# Altium PCB PCB3.PcbDoc
Units mil, origin at the board's own origin, x right, y up, seen from the top; angles counter-clockwise.
Board outline 3464.57 x 2078.74 mil, 2 copper layers (Top Layer, Bottom Layer); 45 components, 39 nets, 186 pads, 3 vias.
Unrouted connection lines stored in the file: 85.
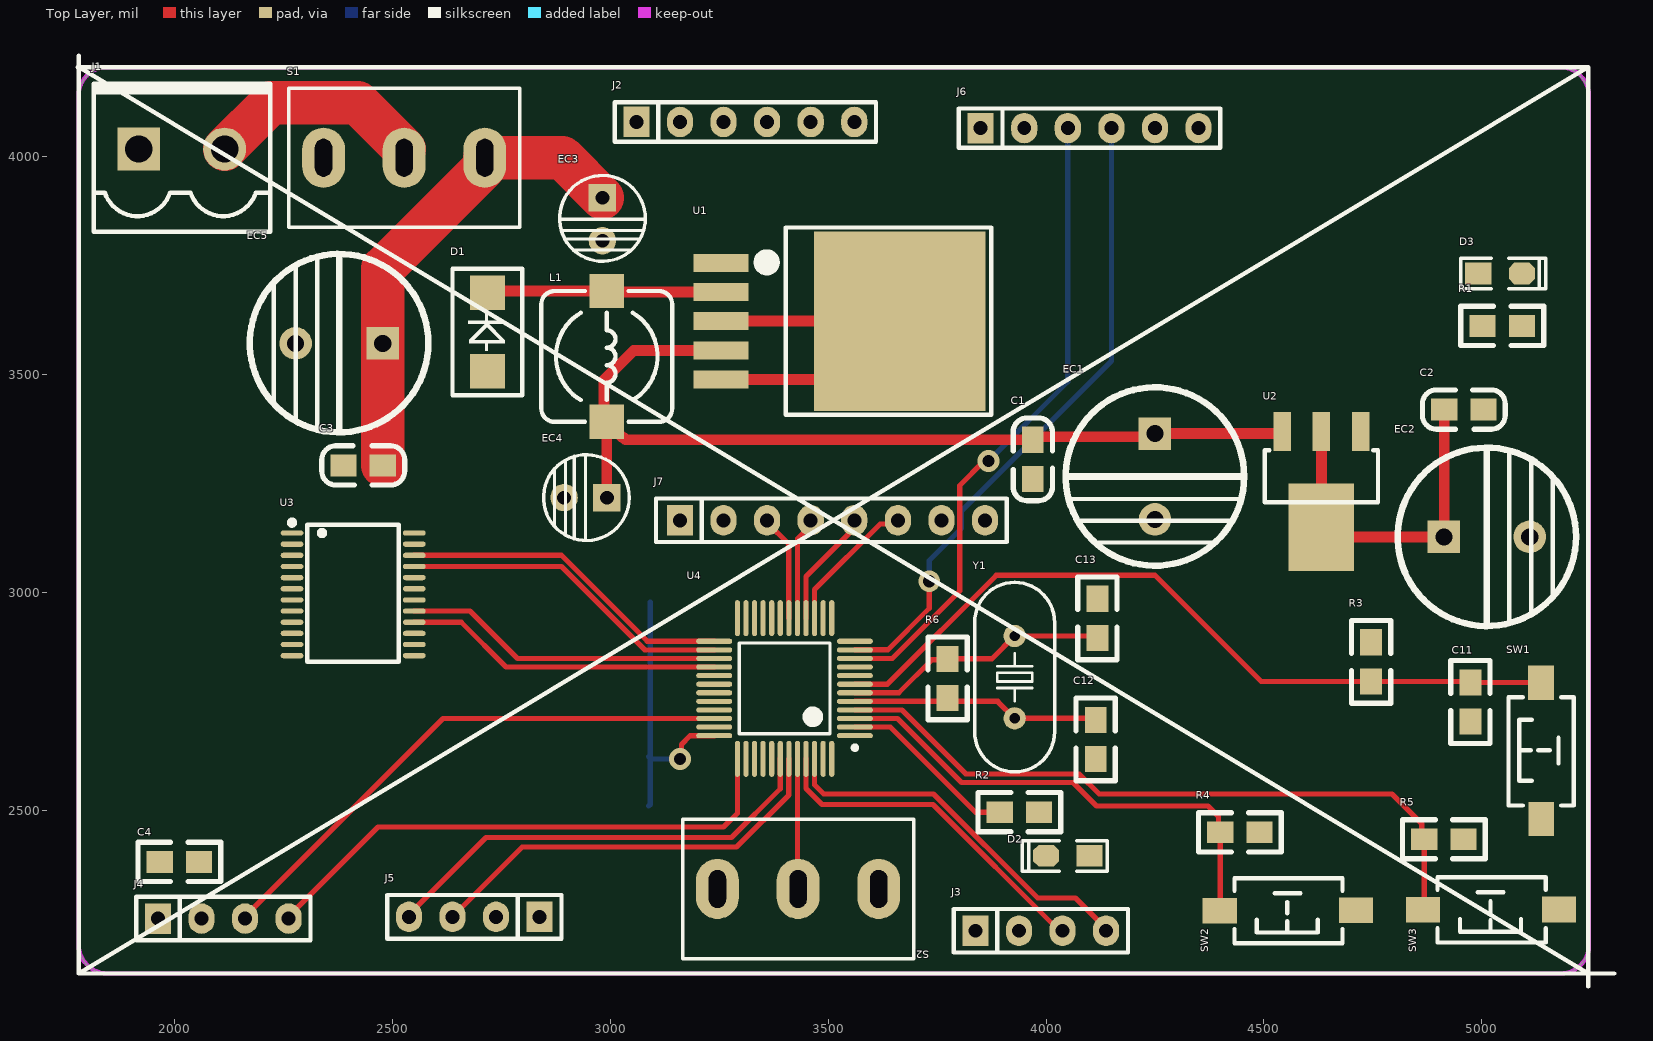
[diagram p0: Top Layer view]
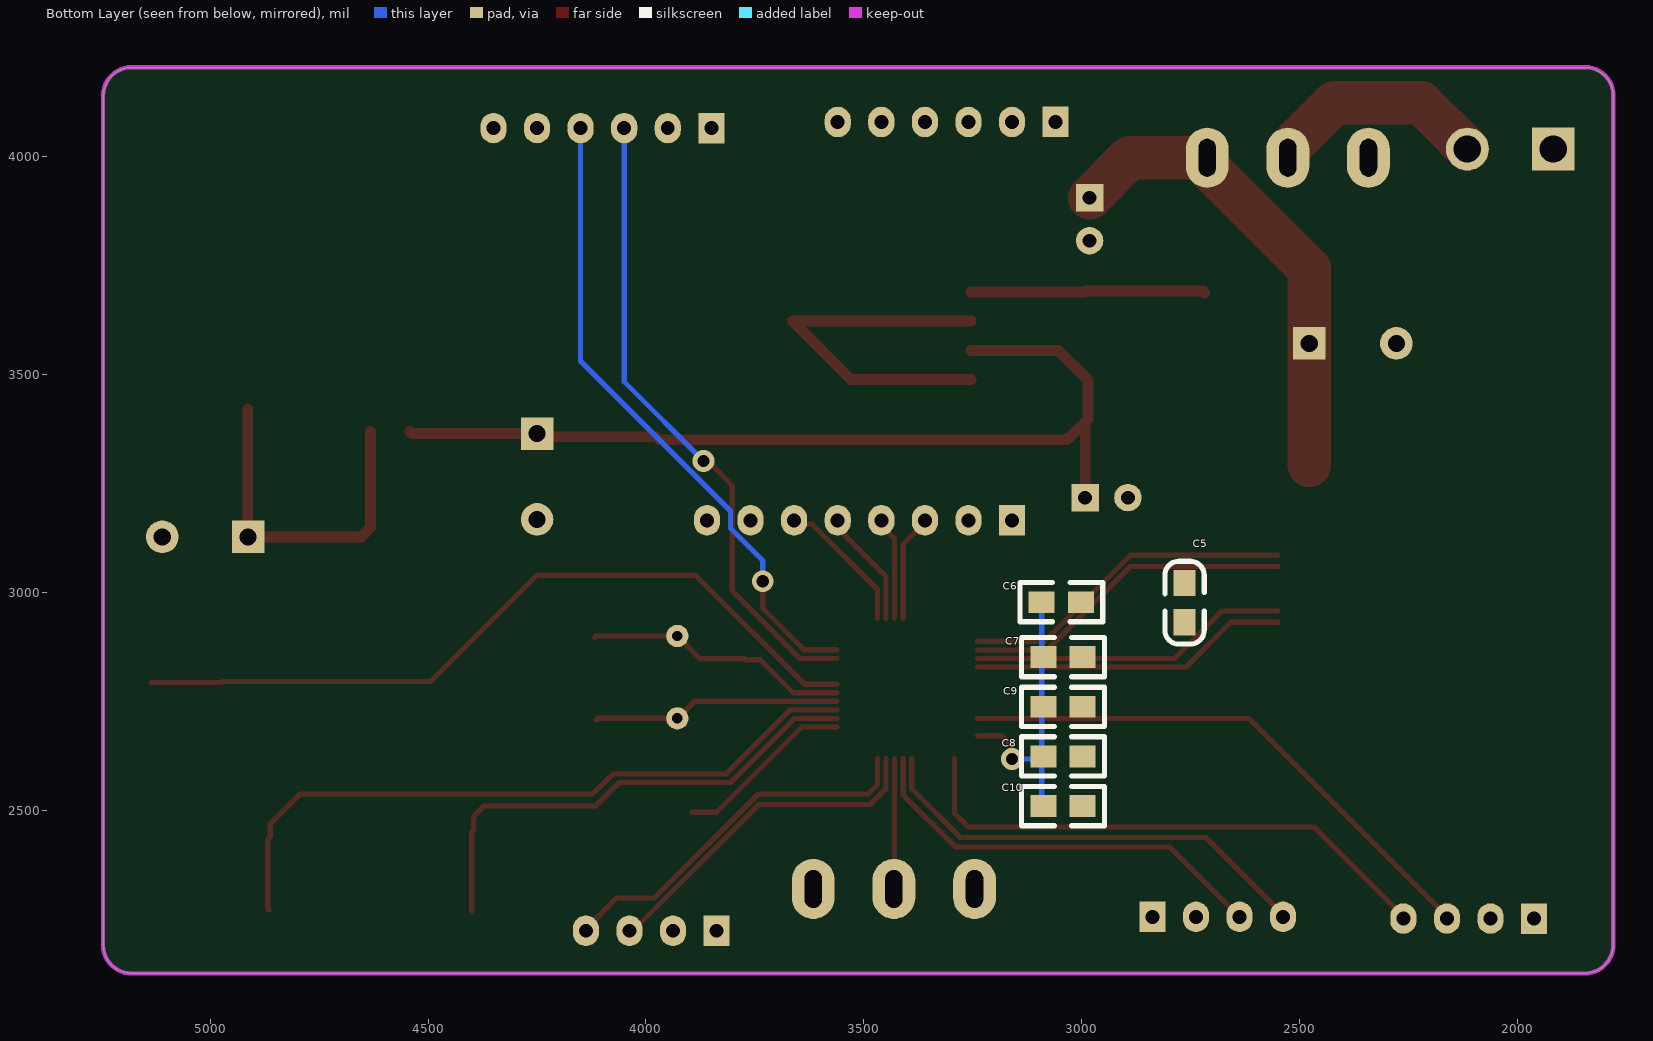
[diagram p1: Bottom Layer view, seen from below]

## Layer stack, top to bottom
Top Solder: solder mask 0.4, Solder Resist, Dk 3.5
Top Layer: signal copper 1.4
Dielectric 1: dielectric 12.6, FR-4, Dk 4.8
Bottom Layer: signal copper 1.4
Bottom Solder: solder mask 0.4, Solder Resist, Dk 3.5

## Board outline
1780.43,2191.57 1780.43,4140.43 cw(c1845,4140.43) 1845,4205 5180,4205 cw(c5180,4140) 5245,4140 5245,2191 cw(c5180.26,2191) 5180.26,2126.26 1845.74,2126.26 cw(c1845.74,2191.57)

## Design rules (kind name [scope] priority, off if disabled: settings)
Clearance ClearancePolygon [InPolygon] p1: gap=6 ignorepadtopadclearanceinfootprint=FALSE
Clearance [All] p2: gap=6 ignorepadtopadclearanceinfootprint=FALSE except(0: Arc-Hole Track-Hole SMDPad-Hole THPad-Hole Via-Hole Fill-Hole Poly-Hole Region-Hole Text-Hole)
ComponentClearance [All] p1: gap=0 collisioncheckmode=3 verticalgap=0 showdistances=FALSE
Height [All] p1: minheight=0 maxheight=5000 prefheight=500
HoleSize [All] p1: absolutevalues=TRUE maxlimit=200 minlimit=1 maxpercent=80.000 minpercent=20.000
HoleToHoleClearance [All] p1: gap=6 allowstackedmicrovias=TRUE
MinimumAnnularRing [All] p1: minimumring=4
MinimumSolderMaskSliver [All] p1: minsoldermaskwidth=0
MinimumSolderMaskSliver SilkToSolderMaskClearance [IsPad] p2: minsoldermaskwidth=10
PolygonConnect [All] p1: connectstyle=Direct reliefconductorwidth=10 reliefentries=4 polygonreliefangle="90 Angle" airgapwidth=10
RoutingVias [All] p1: holewidth=12 width=24 viastyle="Through Hole" minholewidth=12 minwidth=20 maxholewidth=28 maxwidth=50
SilkToSilkClearance [All] p1: silktosilkclearance=0
SilkToSolderMaskClearance SilkToSolderMaskClearance_1 [IsPad] p1: minsilkscreentomaskgap=10 clearancetoexposedcopper=TRUE
SolderMaskExpansion [All] p1: expansion=2 istentingtop=FALSE
Width [All] p1: maxlimit=100 minlimit=10 preferedwidth=12 minimp=50.000000 maximp=50.000000 favimp=50.000000
23 further rules are at their usual default settings.

## Components (designator, comment, footprint, x,y, rotation, side; value= is the part's Value field where it differs from the comment)
C1 "104" 0805C 3970,3350 r270 top
C2 "104" 0805C 4914.71,3420.4 r0 top
C3 "100nF" 0805C 2477.29,3291.6 r180 top
C4 "1uf" 0805R 2056,2382 r180 top value=104
C5 "100nF" 0805C 2764.4,2932.71 r90 bottom
C6 "104" 0805R 3002,2978 r0 bottom
C7 "104" 0805R 2998,2852 r0 bottom
C8 "104" 0805R 2998,2624 r0 bottom
C9 "104" 0805R 2998,2738 r0 bottom
C10 "104" 0805R 2998,2510 r0 bottom
C11 "1uf" 0805R 4974,2704 r90 top value=104
C12 "22P" 0805R 4114,2708 r270 top value=104
C13 "22P" 0805R 4118,2896 r90 top value=104
D1 "DIODE SCHOTTKY" SMB/DO-214AA 2718,3508 r90 top
D2 "LED" "LED 0805G" 4050,2396 r180 top
D3 "LED" "LED 0805G" 5042,3732 r0 top
EC1 "106" DIP-EC5.0X10X12.5 4250,3364.85 r270 top
EC2 "106" DIP-EC5.0X10X12.5 4913.15,3128 r0 top
EC3 "680uF" DIP-EC2.5X5X11 2982,3906 r270 top
EC4 "220uF" DIP-EC2.5X5X11 2992.43,3218 r180 top
EC5 "22uF" DIP-EC5.0X10X20 2478,3572 r180 top
J1 "KF2EDGK-2P" KF2EDGK5.0-2P 1918,4018 r0 top
J2 "A_M" Fe-HDR1X6/2.54-S 3060,4080 r0 top
J3 "oled" Fe-HDR1X4/2.54-S 3838,2224 r90 top
J4 "jilnk" Fe-HDR1X4/2.54-S 1962,2252 r90 top
J5 "串口" Fe-HDR1X4/2.54-S 2838,2256 r270 top
J6 "B_M" Fe-HDR1X6/2.54-S 3850,4066 r0 top
J7 "陀螺仪" Fe-HDR1X8/2.54-S 3160,3166 r90 top
L1 "33uH" CDRH74 2992,3542 r270 top
R1 "10k" 0805R 5092,3612 r180 top
R2 "10K" 0805R 3984,2496 r180 top
R3 "10K" 0805R 4746,2796 r90 top
R4 "1K" 0805R 4400,2450 r0 top
R5 "1K" 0805R 4868,2434 r0 top
R6 "1M" 0805R 3774,2848 r270 top
S1 "MTS-10x" MTS-10x 2527.04,3998 r180 top
S2 "MTS-10x" MTS-10x 3431.04,2320 r0 top
SW1 "3x6x5" "TSW SMD-3*6*2.5" 5136,2638 r90 top
SW2 "3x6x5" "TSW SMD-3*6*2.5" 4554,2270 r180 top
SW3 "3x6x5" "TSW SMD-3*6*2.5" 5020,2272 r180 top
U1 "LM2596-5.0" TO263-5A 3254,3622.93 r270 top
U2 "AMS1117" SOT223 4632,3370 r180 top
U3 "TB6612FNG" SSOP-24_L8.3-W5.6-P0.65-LS7.6-BL 2410,2996 r270 top
U4 "stm32f103c8t6_48pin" LQFP-48_M 3400,2780 r180 top
Y1 "8M" "OSC HC-49U" 3928,2806 r270 top

## Footprints (in the part's own frame and the unit in brackets; to place one, negate y for a bottom-side part, rotate by r counter-clockwise, add the part's x,y. Pads: shape width x height; smd on the part's side, far side on the other; paste and mask are expansions set on the pad)
0805C [mil]
  rect 60x50 smd: 1(-0.71,-0.4) 2(89.29,-0.4)
  silkscreen extent -51,-45 139,45, body extent 6,-25 84,25, height 31
0805R [mil]
  rect 60x50 smd: 1(0,0) 2(90,0)
  silkscreen extent -50,-45 140,45, body extent 1,-25 80,25, height 15
CDRH74 [mm] "7.3*7.3*4.5mm（长宽高）"
  rect 2x2 smd: 1(-3.81,0) 2(3.81,0)
  silkscreen extent -3.81,-3.81 3.81,3.81, body extent -3.65,-3.65 3.65,3.65, height 4.5
DIP-EC2.5X5X11 [mm]
  rect 1.6x1.6 hole 0.8: 1(0,0)
  round 1.6 hole 0.8: 2(2.5,0)
  silkscreen extent -1.3,-2.5 3.7,2.5, body extent -1.25,-2.59 3.75,2.41, height 11.03
DIP-EC5.0X10X12.5 [mm]
  rect 1.9x1.9 hole 1: 1(0,0)
  round 1.9 hole 1: 2(5,0)
  silkscreen extent -2.7,-5.21 7.7,5.2, body extent -2.41,-5 7.6,5, height 12.55
DIP-EC5.0X10X20 [mm]
  rect 1.9x1.9 hole 1: 1(0,0)
  round 1.9 hole 1: 2(5.08,0)
  silkscreen extent -2.65,-5.21 7.74,5.19, body extent -2.46,-4.93 7.55,5.07, height 20.03
Fe-HDR1X4/2.54-S [mil]
  rect 70x60 hole 32: 1(0,0)
  oval 70x60 hole 32: 2(0,-100) 3(0,-200) 4(0,-300)
  silkscreen extent -50,-350 50,50, body extent -44,-355 54,55, height 335
Fe-HDR1X6/2.54-S [mil]
  rect 60x70 hole 32: 1(0,0)
  oval 60x70 hole 32: 2(100,0) 3(200,0) 4(300,0) 5(400,0) 6(500,0)
  silkscreen extent -50,-45 550,45, body extent -55,-49 555,49, height 109
Fe-HDR1X8/2.54-S [mil]
  rect 70x60 hole 32: 1(0,0)
  oval 70x60 hole 32: 2(0,-100) 3(0,-200) 4(0,-300) 5(0,-400) 6(0,-500) 7(0,-600) 8(0,-700)
  silkscreen extent -50,-750 50,55, body extent -49,-755 49,55, height 126
KF2EDGK5.0-2P [mm]
  rect 2.5x2.5 hole 1.6: 1(0,0)
  round 2.5 hole 1.6: 2(5,0)
  silkscreen extent -2.62,-4.83 7.67,3.81, body extent -2.54,-4.76 7.54,3.74, height 11.25
"LED 0805G" [mil] "绿色0805LED"
  rect 60x50 smd: 1(-50,0)
  oct 60x50 smd: 2(50,0)
  silkscreen extent -90,-35 105,35, body extent -39,-25 39,25, height 32
LQFP-48_M [mm] "Thin QFP, 48-Leads, Body 7x7mm, Pitch 0.5mm, IPC Low Density"
  oval 2.1x0.3 smd: 1(-4.1,2.75) 2(-4.1,2.25) 3(-4.1,1.75) 4(-4.1,1.25) 5(-4.1,0.75) 6(-4.1,0.25) 7(-4.1,-0.25) 8(-4.1,-0.75) 9(-4.1,-1.25) 10(-4.1,-1.75) 11(-4.1,-2.25) 12(-4.1,-2.75) 25(4.1,-2.75) 26(4.1,-2.25) 27(4.1,-1.75) 28(4.1,-1.25) 29(4.1,-0.75) 30(4.1,-0.25) 31(4.1,0.25) 32(4.1,0.75) 33(4.1,1.25) 34(4.1,1.75) 35(4.1,2.25) 36(4.1,2.75)
  oval 0.3x2.1 smd: 13(-2.75,-4.1) 14(-2.25,-4.1) 15(-1.75,-4.1) 16(-1.25,-4.1) 17(-0.75,-4.1) 18(-0.25,-4.1) 19(0.25,-4.1) 20(0.75,-4.1) 21(1.25,-4.1) 22(1.75,-4.1) 23(2.25,-4.1) 24(2.75,-4.1) 37(2.75,4.1) 38(2.25,4.1) 39(1.75,4.1) 40(1.25,4.1) 41(0.75,4.1) 42(0.25,4.1) 43(-0.25,4.1) 44(-0.75,4.1) 45(-1.25,4.1) 46(-1.75,4.1) 47(-2.25,4.1) 48(-2.75,4.1)
  silkscreen extent -4.23,-2.65 2.65,3.57, body extent -3.5,-3.5 3.5,3.5, height 1.6
MTS-10x [mm] "MTS10系列3脚扭子开关"
  oval 2.5x3.5 hole 1 slot 2.2 at 90 deg: 1(-4.7,0) 2(0,0) 3(4.7,0)
  silkscreen extent -6.73,-4.06 6.73,4.06, body extent -6.6,-3.95 6.6,3.95, height 30.47
"OSC HC-49U" [mm]
  round 1.3 hole 0.6: 1(-2.4,0) 2(2.4,0)
  silkscreen extent -5.52,-2.32 5.52,2.33, body extent -5.53,-2.29 5.53,2.36, height 13.95
SMB/DO-214AA [mil] "塑封二极管"
  rect 80x80 smd: A(0,0) K(180,0)
  silkscreen extent -55,-80 235,80, body extent -20,-79 200,75, height 98
SOT223 [mil]
  rect 40x90 smd: 1(-90,0) 2(0,0) 3(90,0)
  rect 150x200 smd: 2(0,220)
  silkscreen extent -130,43 130,163, body extent -130,-30 126,246, height 65
SSOP-24_L8.3-W5.6-P0.65-LS7.6-BL [mil]
  oval 12.13x52.13 smd mask+2: 1(-140.75,-140.24) 2(-115.16,-140.24) 3(-89.57,-140.24) 4(-63.98,-140.24) 5(-38.39,-140.24) 6(-12.79,-140.24) 7(12.8,-140.24) 8(38.39,-140.24) 9(63.98,-140.24) 10(89.57,-140.24) 11(115.16,-140.24) 12(140.75,-140.24) 13(140.75,140.24) 14(115.16,140.24) 15(89.57,140.24) 16(63.98,140.24) 17(38.39,140.24) 18(12.8,140.24) 19(-12.79,140.24) 20(-38.39,140.24) 21(-63.98,140.24) 22(-89.57,140.24) 23(-115.16,140.24) 24(-140.75,140.24)
  silkscreen extent -171,-146 155,105
TO263-5A [mm] "263，5脚晶体管"
  rect 1.05x3.2 smd: 1(-3.4,0) 2(-1.7,0) 3(0,0) 4(1.7,0) 5(3.4,0)
  rect 10.45x10 smd: 3(0,10.414)
  silkscreen extent -5.46,2.29 5.46,15.75, body extent -5.05,0.45 4.95,13.78, height 4.5
"TSW SMD-3*6*2.5" [mm] "3*6*2.5mm"
  rect 2x1.5 smd: 1(-3.996,-0.02) 2(3.937,0)
  silkscreen extent -3.21,-1.9 3.09,1.9, body extent -4,-1.88 4,1.62, height 2.59

## Part data
C1 C2 C3 C5: library part CAP, "无极性电容"
C4 C6 C7 C8 C9 C10 C11: library part Cap, LatestRevisionDate=17-Jul-2002, LatestRevisionNote="Re-released for DXP Platform.", Published=8-Jun-2000, Publisher="Altium Limited"
C12 C13: library part Cap, "Capacitor", LatestRevisionDate=17-Jul-2002, LatestRevisionNote="Re-released for DXP Platform.", Published=8-Jun-2000, Publisher="Altium Limited"
D1: "肖特基二极管"
EC1 EC2 EC3 EC4 EC5: library part DIP_ECAP, "直插电解电容"
J2 J6: library part "Female HDR1X6"
J3 J4 J5: library part "Female HDR1X4"
J7: library part "Female HDR1X8"
L1: library part INDUCTOR, "INDUCTOR"
R1 R2 R3 R4 R5: library part Res2, LatestRevisionDate=17-Jul-2002, LatestRevisionNote="Re-released for DXP Platform.", Published=8-Jun-2000, Publisher="Altium Limited"
R6: library part Res2, "Resistor", LatestRevisionDate=17-Jul-2002, LatestRevisionNote="Re-released for DXP Platform.", Published=8-Jun-2000, Publisher="Altium Limited"
S1 S2: "MTS10x系列3脚扭子开关", BOM名称=MTS10x系列3脚扭子开关, 学习资源=www.ooocke.com, 版权归属=源创客
SW1 SW2 SW3: library part "TSW 3x6", "3x6轻触开关", BOM名称=3x6轻触开关, 学习资源=www.ooocke.com, 版权归属=源创客
U1: "DC降压芯片"
U2: "三端稳压芯片"
Y1: library part XTAL, "Crystal Oscillator", LatestRevisionDate=17-Jul-2002, LatestRevisionNote="Re-released for DXP Platform.", Published=8-Jun-2000, Publisher="Altium Limited"
U3: BOM名称=TB6612FNG, 联系卖家，免费查找封装=唯一出售店铺网址https://shop463601444.taobao.com

## Via types
v1: diameter 50, hole 28, Top Layer to Bottom Layer, 3 vias

## Nets (pads, with @x,y where several pads share a name; then routed paths per layer and width w, separated by ;. In a path a pad name is that pad's centre, name@x,y a point inside that pad or via, vN(x,y) a via of type N, cw(c..) or ccw(c..) an arc to the next point about the centre after c; other vN are vias at no path point)
5V: C1.1 C5.2 EC1.1 EC4.1 J2.2 J3.2 J6.2 J7.8 L1.2 U1.4 U2.3 U3.19 U3.20 | length 2134.5
  Top Layer w25: L1.2@2986,3398 2986,3488 3054,3556 U1.4 ; L1.2@2991.54,3391.54 2991.97,3391.12 EC4.1@2991.97,3218.46 ; L1.2 3028,3356 3030,3356 3035.29,3350.71 C1.1 3976.67,3357.78 4242.93,3357.78 EC1.1 4536.85,3364.85 U2.3
A_M1: J2.1 U3.1 U3.2
A_M2: J2.6 U3.5 U3.6
B_M1: J6.1 U3.7 U3.8
B_M2: J6.6 U3.11 U3.12
GND: C1.2 C2.2 C3.2 C4.1 C5.1 C6.1 C7.1 C8.1 C9.1 C10.1 C11.1 C12.2 C13.2 D1.A EC1.2 EC2.2 EC3.2 EC4.2 EC5.2 J1.1 J2.5 J3.1 J4.2 J5.2 J6.5 J7.7 R1.2 S2.3 SW1.1 SW2.1 SW3.1 U1.3 U1.5 U2.1 U3.3 U3.4 U3.9 U3.10 U3.18 U4.8 U4.20 U4.23 U4.35 U4.47 | length 875.4
  Top Layer w25: U1.5 3530.14,3489.07 3664,3622.93 U1.3@3254,3622.93
NetC11_2: C11.2 R3.1 SW1.2 U4.7 | length 1780.5
  Top Layer w12: U4.7 3561.51,2789.94 3635.94,2789.94 3886,3040 4250,3040 4494,2796 R3.1 4972,2796 C11.2 5135,2794 SW1.2
NetD1_K: D1.K L1.1 U1.2 | length 538.5
  Top Layer w25: D1.K 2722,3692 L1.1 2994.14,3689.86 U1.2
NetD2_2: D2.2 R2.1
NetD3_2: D3.2 R1.1
NetJ1_2: J1.2 S1.2 | length 519.8
  Top Layer w50: S1.2 S1.2@2527.04,4017.69
  Top Layer w100: J1.2 2220.85,4124 2420.72,4124 S1.2@2527.04,4017.69
NetS2_2: S2.2 U4.44 | length 299.2
  Top Layer w12: U4.44 3429.62,2618.49 3429.62,2321.42 S2.2
OSCIN: C12.1 R6.2 U4.5 Y1.2 | length 570.2
  Top Layer w12: U4.5 3889.04,2750.47 Y1.2 4110.49,2711.51 C12.1
OSCOUT: C13.1 R6.1 U4.6 Y1.1 | length 612.4
  Top Layer w12: U4.6 3662.16,2770.16 3738.03,2846.03 3772.03,2846.03 R6.1 3875.51,2848 Y1.1 4113.51,2900.49 C13.1
PA0: J6.3 U4.10 | length 1475.4
  Top Layer w12: U4.10 3561.51,2848.99 3646.99,2848.99 3802,3004 3802,3246 3858,3302 v1(3868,3302)
  Bottom Layer w12: v1(3868,3302) 4050,3484 J6.3
PA1: J6.4 U4.11 | length 1485.2
  Top Layer w12: U4.11 3561.51,2868.68 3636.68,2868.68 3732,2964 v1(3732,3026)
  Bottom Layer w12: v1(3732,3026) 3732,3073.6 3806,3147.6 3806,3187.67 4150,3531.67 J6.4
PA2: U3.23 U4.12
PA3: U3.15 U4.13
PA5: J7.6 U4.15 | length 322.5
  Top Layer w12: U4.15 3468.9,3006.9 3619.56,3157.56 3651.56,3157.56 J7.6
PA6: J7.5 U4.16 | length 270.5
  Top Layer w12: U4.16 3449.21,3037.21 3544.56,3132.56 3560,3148.01 J7.5
PA7: J7.4 U4.17 | length 237.2
  Top Layer w12: U4.17 3429.53,3123.59 3460,3154.06 J7.4
PA8: J2.3 U4.29
PA9: J2.4 U4.30
PB0: J7.3 U4.18 | length 245.2
  Top Layer w12: J7.3 3360,3161 3409.84,3111.16 U4.18
PB6: J5.4 U4.42 | length 1045.4
  Top Layer w12: J5.4 2538,2261 2715,2438 3278,2438 3390.06,2550.06 3390.06,2618.49 U4.42
PB7: J5.3 U4.43 | length 970.5
  Top Layer w12: J5.3 2798,2416 3290,2416 3409.84,2535.84 U4.43
PB8: J3.3 U4.45 | length 791.9
  Top Layer w12: U4.45 3449.21,2550.79 3486,2514 3740.54,2514 4030.54,2224 J3.3
PB9: J3.4 U4.46 | length 870.3
  Top Layer w12: U4.46 3468.99,2618.49 3468.99,2559.01 3490,2538 3742,2538 3980.89,2299.11 4067.89,2299.11 4138,2229 J3.4
PB12: U3.22 U4.25 | length 770.1
  Top Layer w12: U3.22 2887.81,3085.57 3085.12,2888.27 U4.25
PB13: U3.21 U4.26 | length 767.6
  Top Layer w12: U3.21 2887.95,3059.98 3079.35,2868.58 U4.26
PB14: U3.17 U4.27 | length 733.4
  Top Layer w12: U3.17 2678.39,2957.61 2787.1,2848.9 U4.27
PB15: U3.16 U4.28 | length 730.9
  Top Layer w12: U3.16@2550.26,2932 2658,2932 2760.79,2829.21 U4.28
PC13: R2.2 U4.2 | length 413.5
  Top Layer w12: U4.2 3642.58,2691.42 3838,2496 R2.2
PC14: R4.1 SW2.2 U4.3 | length 1145.9
  Top Layer w12: U4.3 3658.9,2711.1 3806,2564 4062,2564 4116,2510 4372,2510 4396.03,2485.97 4396.03,2453.97 R4.1 4400,2271 SW2.2
PC15: R5.1 SW3.2 U4.4 | length 1610.3
  Top Layer w12: U4.4 3669.21,2730.79 3816,2584 4076.03,2584 4122.03,2538 4794,2538 4862.03,2469.97 4862.03,2439.97 R5.1 4868,2275 SW3.2
SWDCLK: J4.4 U4.37 | length 1257.6
  Top Layer w12: J4.4 2262,2257 2467,2462 3260,2462 3291.73,2493.73 U4.37
SWDIO: J4.3 U4.34 | length 1269.7
  Top Layer w12: J4.3 2162,2257 2616.1,2711.1 U4.34
VCC: C3.1 EC3.1 EC5.1 S1.1 U1.1 U3.13 U3.14 U3.24 | length 1116
  Top Layer w25: C3.1 C3.1@2483,3292
  Top Layer w50: S1.1@2712.08,3978.31 S1.1
  Top Layer w100: C3.1 EC5.1 2478,3744.24 S1.1@2712.08,3978.31 ; S1.1 2890,3998 EC3.1
VCC3V3: C2.1 C4.2 C6.2 C7.2 C8.2 C9.2 C10.2 D2.1 D3.1 EC2.1 J4.1 J5.1 R3.2 R4.2 R5.2 S2.1 U2.2 U4.9 U4.24 U4.36 U4.48 | length 1464
  Top Layer w12: v1(3160,2618) 3163.41,2621.41 3163.41,2651.41 3183.73,2671.73 U4.36
  Top Layer w25: U2.2@4632,3370 4632,3150 4654,3128 EC2.1 ; EC2.1@4914,3128.85 C2.1
  Bottom Layer w12: C10.2 3092,2514 C8.2@3092,2620 ; C8.2 C8.2@3092,2620 ; C6.2 C8.2@3092,2620 ; v1(3160,2618) 3094,2618 C8.2@3092,2620
pads on no net: J7.1 J7.2 S1.3 U4.1 U4.14 U4.19 U4.21 U4.22 U4.31 U4.32 U4.33 U4.38 U4.39 U4.40 U4.41

## Keep-outs
Keep-Out Layer:
  lines w10: 1780,2192 ccw(c1846,2192) 1846,2126 5180,2126 ccw(c5181,2191) 5246,2190 5246,4140 ccw(c5180,4140) 5180,4206 1844,4206 ccw(c1845,4141) 1780,4140 1780,2192

## Silkscreen, mask and mechanical layers (free items; w line width, h text height)
Top Overlay:
  lines w10: 1778,4206 1840,4206 ; 1780,4148 1780,4232 ; 5184,2126 5304,2126 ; 5244,2096 5244,2204 ; 1780,2126 5244,2126 ; 1780,2126 1780,4206 ; 1780,2126 5244,4206 ; 1780,4206 5244,4206 ; 1780,4206 5244,2126 ; 5244,2126 5244,4206
Mechanical 1:
  the board outline again, w10